# Altium PCB 3d_design_approx.PcbDoc (part 2 of 3) (continued)
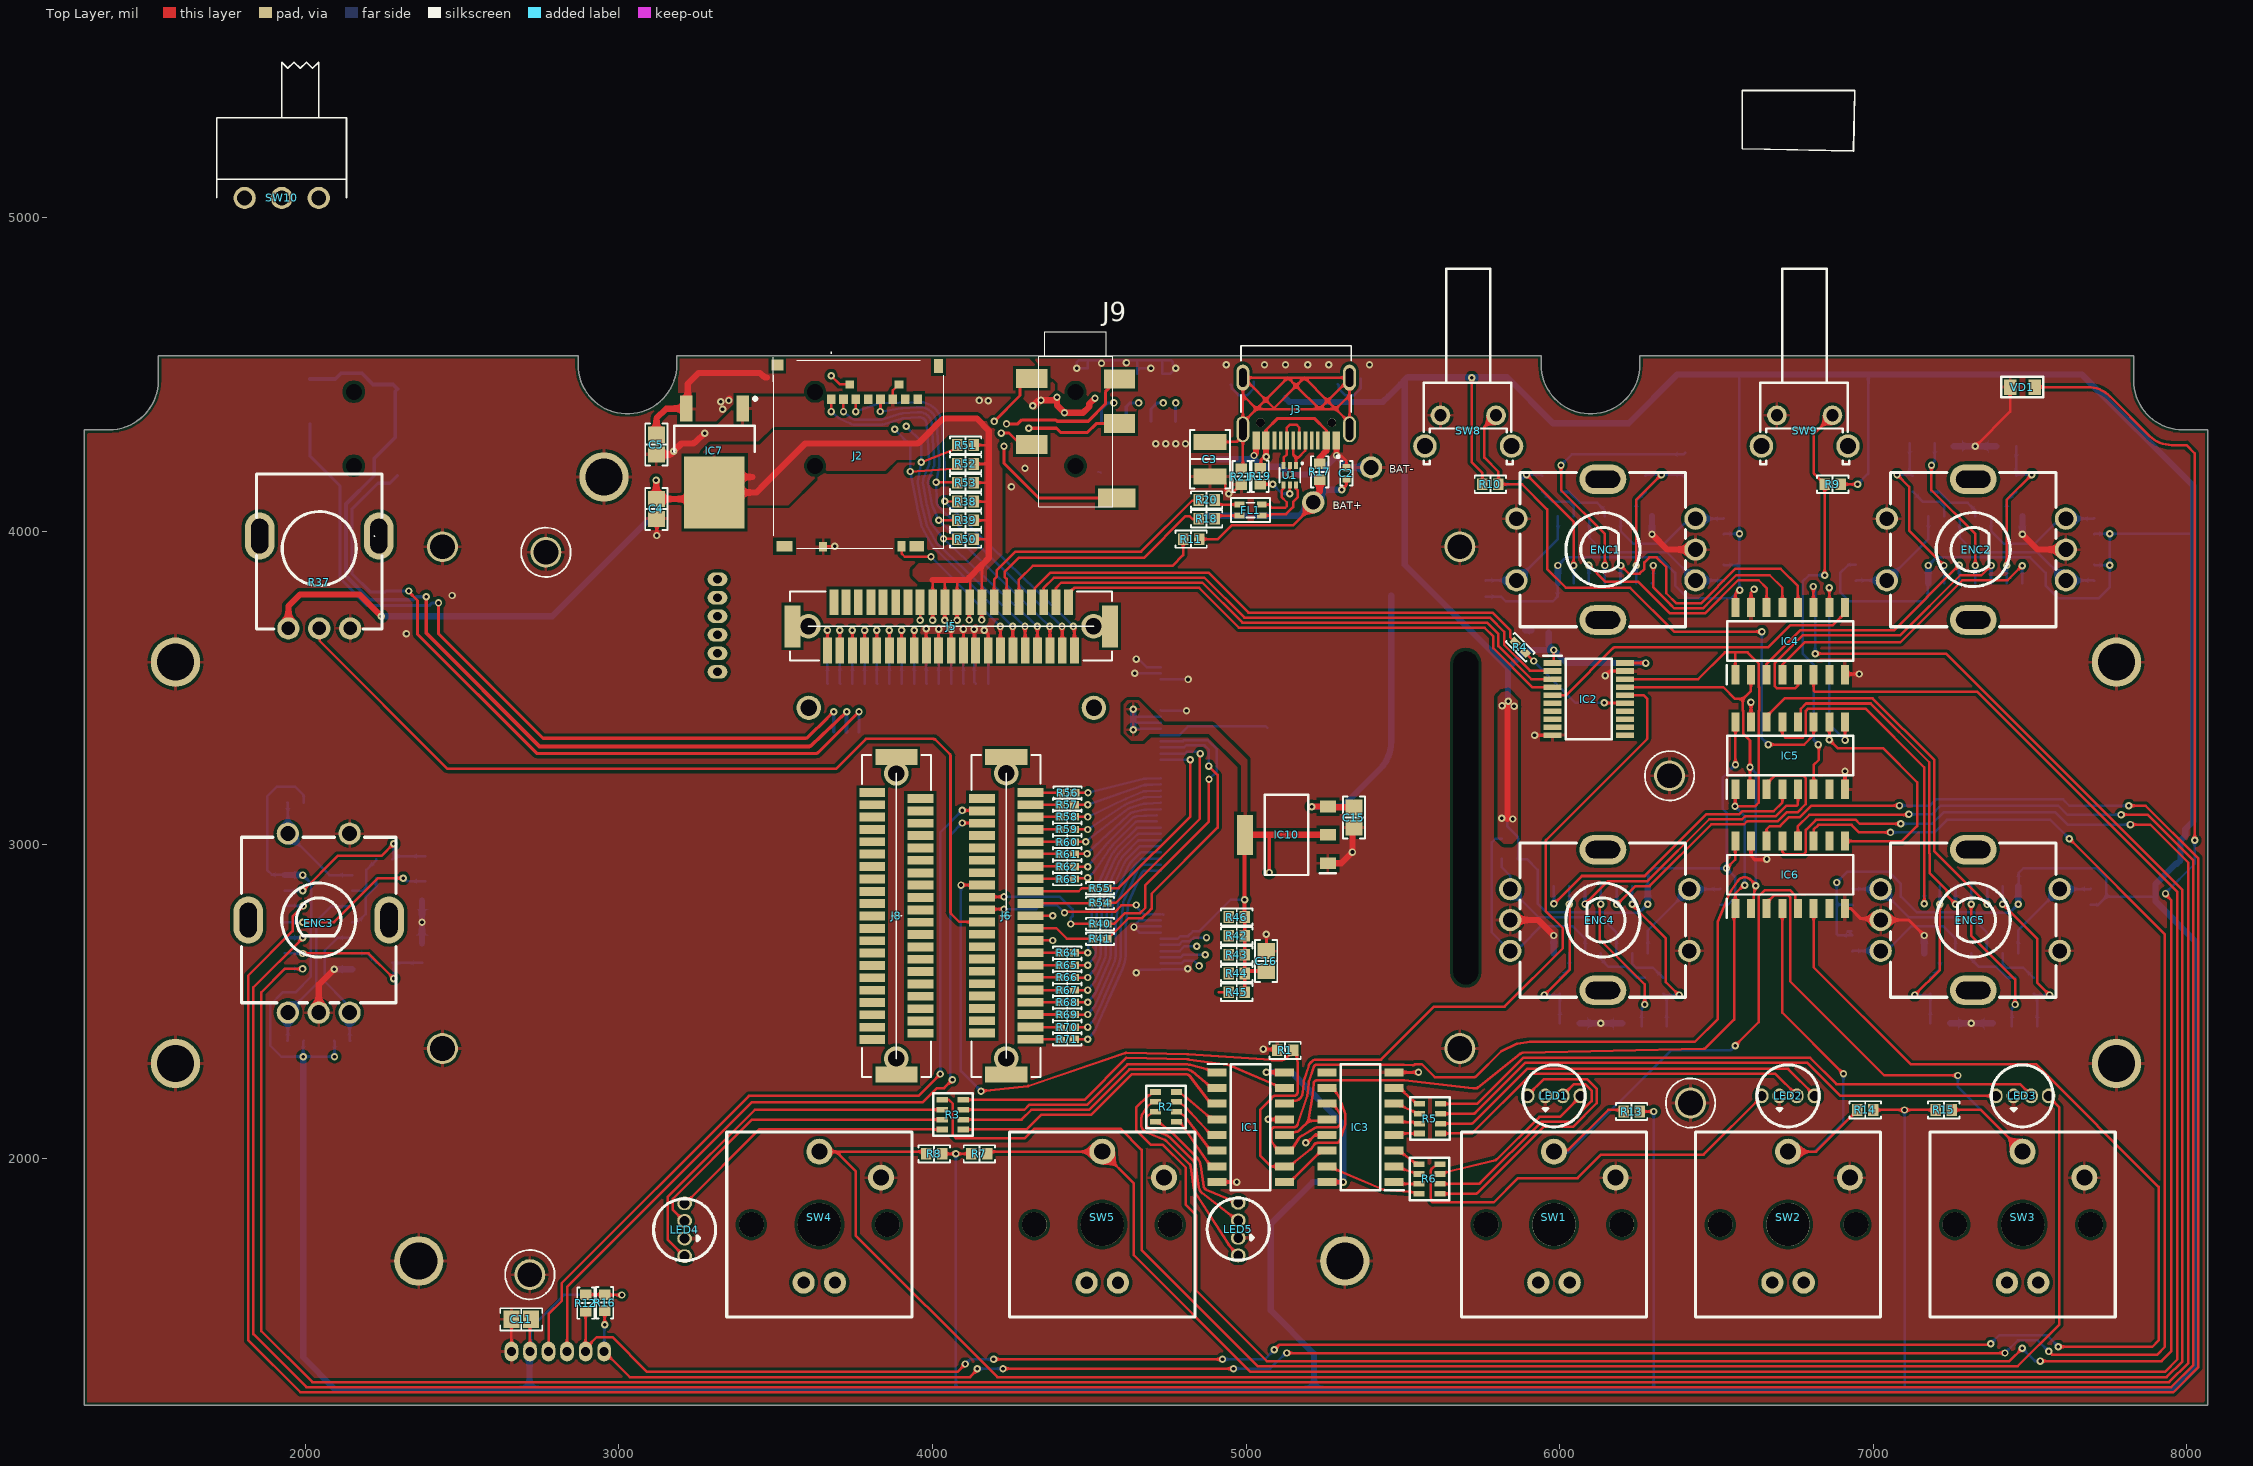
[diagram p0: Top Layer view]
## Nets (pads, with @x,y where several pads share a name; then routed paths per layer and width w, separated by ;. In a path a pad name is that pad's centre, name@x,y a point inside that pad or via, vN(x,y) a via of type N, cw(c..) or ccw(c..) an arc to the next point about the centre after c; other vN are vias at no path point) (continued)
  Bottom Layer w8: IC11_IC103.12@6181.06,2868.65 6182.69,2867.03 v1(6182.69,2810.27)
BTN_4: IC5.14 IC11_IC104.12 | length 1246.6
  Top Layer w8: IC5.14@6660,3392.28 6660,3410 6717,3467 6998,3467 7194.63,3270.37 7194.63,2979.43 v1(7363.79,2810.27)
  Bottom Layer w8: IC11_IC104.12@7362.17,2868.65 7363.79,2867.03 v1(7363.79,2810.27)
BTN_5: IC6.14 IC11_IC105.12 | length 10990.7
  Top Layer w8: v1(1993.66,2805.57) 1960,2771.9 1960,2725 1818,2583 1818,1422 1985,1255 7956.82,1255 8037,1335.18 8037,2956.5 7868.5,3125 v1(7815,3125) ; IC6.14@6660,3012.28 6660,3050.05 6670,3060.05 6702.68,3060.05 6731.63,3089 6766.37,3089 6802.99,3125.62 v1(7083.76,3125.62)
  Bottom Layer w8: IC11_IC105.12@1935.28,2803.95 1936.9,2805.57 v1(1993.66,2805.57) ; v1@7084.07,3125.31 v1(7083.76,3125.62) 7180.62,3125.62 7200,3145 7605,3145 7625,3125 v1(7815,3125)
BTN_FREE1: IC5.11 R10.1 SW8.1 | length 1967.9
  Top Layer w8: SW8.1@5797.17,4370 5760,4332.83 5760,4235 5805,4190 R10.1@5805,4150 5880,4150 5960,4070 5960,3880 6020,3820 6225,3820 6365,3680 v1(6645,3680) ; v1@6665.07,3320.07 6780.07,3320.07 6810,3350 IC5.11@6810,3392.28
  Bottom Layer w8: v1(6645,3680) 6645,3340 v1(6665,3320)
BTN_FREE2: IC5.6 R9.1 SW9.1 | length 1317.6
  Top Layer w8: IC5.6@6810,3177.72 6810,3255 6826.69,3271.69 6826.69,3318.31 v1(6825,3320) ; v1(6845,3860) R9.1@6845,4150 6812.34,4182.66 cw(c6818,4188.31) 6810,4188.31 6810,4306.69 cw(c6818,4306.69) 6812.34,4312.34 SW9.1@6870,4370
  Bottom Layer w8: v1(6825,3320) 6810,3335 6810,3575 6775,3610 6775,3840 6795,3860 v1(6845,3860)
BTN_N: IC4.6 R7.1 SW5.1 | length 7204.9
  Top Layer w8: R7.1@4175.59,2015 4182.45,2021.86 SW5.1@4541.65,2021.86 4642.71,1920.79 4642.71,1691.62 5014.33,1320 7930,1320 7970,1360 7970,2849.84 7331.84,3488 6814.69,3488 6810,3492.69 IC4.6@6810,3542.72
BTN_PLAY: IC6.4 R14.1 SW2.1 | length 1255.5
  Top Layer w8: IC6.4@6710,2797.72 6710,2465 v1(6905,2270) ; SW2.1@6728.32,2021.88 6817.67,2021.88 6948.82,2153.03 R14.1@6948.82,2155
  Bottom Layer w8: SW2.1@6728.32,2021.88 6811.88,2021.88 6905,2115 v1(6905,2270)
BTN_REC: IC6.5 R13.1 SW1.1 | length 1681.7
  Top Layer w8: SW1.1@5981.95,2021.88 5987.36,2027.29 6027.29,2027.29 6155,2155 6198.82,2155 R13.1@6203.82,2150 ; v1(6560,2360) 6634.8,2434.8 6634.8,2836.8 6654.23,2856.23 6734.39,2856.23 6751.2,2839.42 6751.2,2806.51 IC6.5@6760,2797.72
  Bottom Layer w8: SW1.1@5981.95,2021.88 6031.88,2021.88 6355,2345 6545,2345 v1(6560,2360)
BTN_STOP: IC6.3 R15.1 SW3.1 | length 1642.7
  Top Layer w8: IC6.3@6660,2797.72 6660,2815.43 6684.8,2840.23 6727.77,2840.23 6735.2,2832.79 6735.2,2564.8 7035,2265 v1(7270,2265) ; R15.1@7250.59,2155 7343.24,2155 SW3.1@7476.35,2021.88
  Bottom Layer w8: v1(7270,2265) 7270,2228.24 SW3.1@7476.35,2021.88
BTN_Y: IC4.11 R8.1 SW4.1 | length 8345.4
  Top Layer w8: SW4.1@3639.43,2021.88 3693.12,2021.88 ; R8.1@3980,2015 3973.12,2021.88 3693.12,2021.88 ; v1(6808.79,3824.19) 6808.79,3758.5 IC4.11@6810,3757.28 ; v1(6815,3610) 7232.47,3610 7986,2856.47 7986,1353.37 7935.63,1303 4207,1303 3755,1755 3755,1960 3693.12,2021.88
  Bottom Layer w8: v1(6808.79,3824.19) 6808.79,3819.96 6815,3813.74 v1(6815,3610)
CLK: IC1.11 IC2.17 IC3.11 IC4.2 IC5.2 IC6.2 | length 3818.9
  Top Layer w8: IC3.11@5257.72,2175 5284.23,2166.2 5298.32,2144.29 cw(c5288.23,2137.8) 5300.23,2137.8 5300.23,2112.2 cw(c5288.23,2112.2) 5288.31,2100.2 5227.12,2099.8 ccw(c5227.2,2087.8) 5221.14,2098.15 5176.96,2072.27 ccw(c5190,2050) 5168.32,2064.01 5148.8,2033.8 5104.57,2025 5095.77,2033.8 5081.68,2055.71 cw(c5091.77,2062.2) 5079.77,2062.2 5079.77,2087.8 cw(c5091.77,2087.8) 5091.69,2099.8 5152.88,2100.2 ccw(c5152.8,2112.2) 5164.16,2108.36 5194.48,2198.12 ccw(c5152.8,2212.2) 5196.64,2208.51 5199.31,2240.17 cw(c5227.2,2237.8) 5200.68,2246.76 5215.84,2291.64 cw(c5227.2,2287.8) 5227.2,2299.8 5502.8,2299.8 cw(c5502.8,2287.8) 5503.58,2299.77 cw(c5502.8,2287.8) 5503.68,2299.76 5532.4,2297.79 ccw(c5532.95,2305.77) 5538.61,2300.11 5539.31,2300.81 5560.69,2300.81 5601.69,2259.82 5728.22,2259.82 ccw(c5728.22,2267.82) 5733.88,2262.16 5813.93,2342.21 5862.95,2365.84 cw(c5866.44,2358.64) 5865.29,2366.56 5905.18,2372.37 6431.42,2372.37 6504.54,2445.48 6504.54,2755.19 6536.09,2832.75 cw(c6547.2,2828.23) 6536.46,2833.57 6545.68,2852.14 cw(c6560,2845) 6546.8,2854.04 6568.73,2886.08 cw(c6590.03,2871.5) 6608.33,2889.69 6622.71,2875.32 cw(c6617,2869.72) 6624.98,2870.28 v1(6625,2870) 6625,2869.71 cw(c6617,2869.72) 6624.84,2868.12 6619.11,2839.94 ccw(c6634.8,2836.8) 6618.8,2836.8 6618.8,2824.23 IC6.2@6610,2797.72 ; IC2.17@6208.67,3503.39 6521.61,3503.39 6559.31,3465.69 6584.19,3465.69 ; IC5.2@6610,3177.72 6606.99,3180.73 v1(6606.99,3247.58) 6606.99,3333.01 6585.2,3354.8 6585.2,3427.36 6584.19,3428.37 6584.19,3465.69 ; IC4.2@6610,3542.72 6610,3491.5 6584.19,3465.69
  Bottom Layer w8: v1(6606.99,3247.58) 6625,3229.57 v1(6625,2870)
CODEC_GPIO: J1.41 J5.1 | length 236.7
  Top Layer w8: v1(3665.35,3685.04) 3665.35,3620.78 J5.1@3665.88,3620.25
  Bottom Layer w8: v1(3665.35,3685.04) 3665.35,3515.65 J1.41@3667,3514
D0: J6.41 R56.2 | length 97.8
  Top Layer w8: J6.41@4312.47,3167.37 J6.41@4314.48,3165.35 ; J6.41@4313.47,3166.36 R56.2@4408.38,3166.36
D1: J6.39 R57.2 | length 94.9
  Top Layer w8: J6.39@4312.47,3128.37 R57.2@4407.37,3128.37
D2: J6.37 R58.2 | length 94.9
  Top Layer w8: J6.37@4312.47,3089.37 R58.2@4407.37,3089.37
D3: J6.35 R59.2 | length 94.9
  Top Layer w8: J6.35@4312.47,3049.37 R59.2@4407.37,3049.37
D4: J6.33 R60.2 | length 94.9
  Top Layer w8: J6.33@4312.47,3010.37 R60.2@4407.37,3010.37
D5: J6.31 R61.2 | length 94.9
  Top Layer w8: J6.31@4312.47,2971.37 R61.2@4407.37,2971.37
D6: J6.29 R62.2 | length 94.9
  Top Layer w8: J6.29@4312.47,2931.37 R62.2@4407.37,2931.37
D7: J6.27 R63.2 | length 94.9
  Top Layer w8: J6.27@4312.47,2892.37 R63.2@4407.37,2892.37
D8: J6.15 R64.2 | length 94.9
  Top Layer w8: J6.15@4312.47,2656.37 R64.2@4407.37,2656.37
D9: J6.13 R65.2 | length 94.9
  Top Layer w8: J6.13@4312.47,2616.37 R65.2@4407.37,2616.37
D10: J6.11 R66.2 | length 94.9
  Top Layer w8: J6.11@4312.47,2577.37 R66.2@4407.37,2577.37
D11: J6.9 R67.2 | length 94.9
  Top Layer w8: J6.9@4312.47,2537.37 R67.2@4407.37,2537.37
D12: J6.7 R68.2 | length 94.9
  Top Layer w8: J6.7@4312.47,2498.37 R68.2@4407.37,2498.37
D13: J6.5 R69.2 | length 94.9
  Top Layer w8: J6.5@4312.47,2459.37 R69.2@4407.37,2459.37
D14: J6.3 R70.2 | length 94.9
  Top Layer w8: J6.3@4312.47,2419.37 R70.2@4407.37,2419.37
D15: J6.1 R71.2 | length 94.9
  Top Layer w8: J6.1@4312.47,2380.37 R71.2@4407.37,2380.37
DB16: H3.35
DB17: H3.36
DE: H3.37
DEBUG_RST: H2.1 SW10.2
DOTCLK: H3.38
FMC_A21_RS: J6.17 | length 73.4
  Top Layer w8: J6.17@4313.95,2696.85 J6.17@4312.47,2695.37 v2(4383.81,2695.37)
FMC_A22_RS: J6.19 R41.2 | length 213.3
  Top Layer w8: J6.19@4312.47,2734.37 4395.55,2734.37 4429.13,2700.79 R41.2@4511.81,2700.79
FMC_NE1_CS: J6.24 R40.2 | length 425.4
  Top Layer w8: J6.24@4158.47,2833.37 4159.75,2834.65 v1(4228.35,2834.65) ; v2(4440.94,2748.03) R40.2@4511.81,2748.03
  Bottom Layer w8: v1(4228.35,2834.65) 4406.58,2834.65 4447.07,2794.16 4447.07,2772.77 4440.94,2766.65 v2(4440.94,2748.03)
FMC_NE4_CS: J6.21 | length 73.1
  Top Layer w8: J6.21@4313.69,2775.59 J6.21@4312.47,2774.37 v2(4383.81,2774.37)
FMC_NOE_RD: J6.25 R55.2 | length 203.4
  Top Layer w8: J6.25@4312.47,2852.37 4466.54,2852.37 4476.38,2862.2 R55.2@4511.81,2862.2
FMC_NWE_WE: J6.23 R54.2 | length 200
  Top Layer w8: J6.23@4312.47,2813.37 4510.22,2813.37 R54.2@4511.81,2814.96
FOOT_L: H1.1 IC6.11 R16.1 | length 7878.6
  Top Layer w8: H1.1@2953.11,1385 2953.11,1384.71 2969.42,1368.4 2969.71,1368.4 3035.11,1303 4120.08,1303 4142.75,1325.67 v1(4142.75,1329.85) ; v1(2955,1470) R16.1@2955,1515 ; v1(4225,1330) v1(4960,1330) ; v1(5130,1380) v1(7420,1380) ; IC6.11@6810,3012.28 6810,3048.91 6825,3063.91 6931.09,3063.91 6955,3040 v1(7055,3040) ; v1(7559.91,1385) 7560.65,1385 7571.46,1374.19 7904.19,1374.19 7930,1400 7930,2690 7930,2715 v1(7625,3020)
  Bottom Layer w8: H1.1@2953.11,1385 2954.05,1385.94 2954.05,1469.06 v1(2955,1470) ; v1(4142.75,1329.85) 4142.82,1329.92 4224.92,1329.92 v1(4225,1330) ; v1(4960,1330) 5076.63,1330 5126.63,1380 v1(5130,1380) ; v1(7055,3040) 7195,3040 7235,3080 7565,3080 v1(7625,3020) ; v1(7420,1380) 7460.81,1420.81 7524.19,1420.81 7559.91,1385.09 v1(7559.91,1385)
FOOT_R: H1.2 IC6.6 R12.1 | length 7345.3
  Top Layer w8: H1.2@2894.05,1385 H1.2@2894.05,1394.84 ; R12.1@2895,1513.82 2894.05,1512.87 H1.2@2894.05,1394.84 ; v1(4105,1345) 4080,1320 3090,1320 2979.5,1430.5 2929.71,1430.5 H1.2@2894.05,1394.84 ; v1(4195,1360) v1(4925,1360) ; v1(5090,1390) 5105.81,1405.81 7362.5,1405.81 7363.7,1407.01 7372.01,1407.01 v1(7375,1410) ; IC6.6@6810,2797.72 6810,2610 7120,2300 7520,2300 7910,1910 7910,1420 7890,1400 v1(7590,1400)
  Bottom Layer w8: v1(4105,1345) 4120,1360 v1(4195,1360) ; v1(4925,1360) 5060,1360 v1(5090,1390) ; v1(7375,1410) 7401.81,1436.81 7553.19,1436.81 v1(7590,1400)
GND: C1.1 C2.1 C3.1 C4.1 C5.1 C11.1 C15.1 C16.1 C17_IC101.2 C17_IC102.2 C17_IC103.2 C17_IC104.2 C17_IC105.2 C18_IC101.2 C18_IC102.2 C18_IC103.2 C18_IC104.2 C18_IC105.2 C19_IC101.2 C19_IC102.2 C19_IC103.2 C19_IC104.2 C19_IC105.2 ENC1.2 ENC1.C ENC2.2 ENC2.C ENC3.2 ENC3.C ENC4.2 ENC4.C ENC5.2 ENC5.C H1.6 H3.1 H3.2 H3.3 H3.8 H3.42 H3.43 H3.44 H3.50 IC1.8 IC1.13 IC2.10 IC2.19 IC3.8 IC3.13 IC4.8 IC4.15 IC5.8 IC5.15 IC6.8 IC6.15 IC7.1 IC10.1 IC11_IC101.7 IC11_IC102.7 IC11_IC103.7 IC11_IC104.7 IC11_IC105.7 J1.15 J1.17 J1.19 J1.20 J1.21 J1.22 J1.23 J1.24 J1.25 J2.6 J2.9 J2.10 J2.12 J3.A1B12 J3.B1A12 J5.17 J5.19 J5.21 J5.23 J5.25 J5.27 J10.2 J10.4 J10.6 J10.8 J10.13 LED1.3 LED2.3 LED3.3 LED4.3 LED5.3 pad.7@2437.8,2350.86 pad.7@2437.8,3950.86 pad.7@2716.54,1629.92 pad.7@2767.72,3933.07 pad.7@5681.97,2350.86 pad.7@5681.97,3950.86 pad.7@6350.39,3220.47 pad.7@6417.32,2177.17 pad.A@5398.66,4203.66 pad.qq R1.2 R21.1 R37.3 SW1.2 SW2.2 SW3.2 SW4.2 SW5.2 SW8.2 SW9.2 U1.2 VD1.2 | length 7637.6
  Top Layer w8: H1.6@2657.84,1385 2657.84,1499.33 C11.1@2658.5,1500 ; J2.12@3651.57,3950.79 3653.54,3952.76 v2(3688.98,3952.76) ; v2(3677.17,4496.06) 3704.72,4468.5 J2.10@3736.22,4468.5 ; J2.6@3874.02,4421.26 3874.02,4449.8 3892.72,4468.5 J2.9@3893.7,4468.5 ; v1(3980.32,3688.98) 3980.32,3620.82 J5.17@3980.88,3620.25 ; J5.19@4019.88,3620.25 v1(4019.88,3688.41) ; J5.21@4059.88,3620.25 v1(4059.88,3688.41) ; J5.23@4098.88,3620.25 v1(4098.88,3688.41) ; v1(4132.87,3687.34) 4132.87,3650.53 4133.47,3649.94 J5.25@4137.88,3620.25 ; v1(4164.99,3684.76) 4177.88,3671.87 J5.27@4177.88,3620.25 ; C3.1@4885,4175 4912.56,4175 4934.15,4153.41 4934.15,4131.51 4945,4120.66 v1(4945,4120) 4947.99,4122.99 4957.2,4122.99 4983.03,4148.82 R21.1@4985,4148.82 ; v1(5054.98,2349.09) 5094.73,2349.09 R1.2@5098.82,2345 ; v1(5139.37,4181.02) 5139.53,4181.18 5139.53,4209.84 U1.2@5139.69,4210 ; v1(5288.81,4241.63) 5290.56,4239.88 5304.62,4239.88 5320,4224.51 C2.1@5320,4202.32 ; v1(7325.58,4271.03) 7436.26,4381.72 VD1.2@7436.26,4460
  Top Layer w10: C4.1@3120,4040 3121.51,4038.49 v1(3121.51,3986.71) ; IC1.8@4907.72,1925 v1(4970,1925) ; C16.1@5064.88,2662 v1(5064.88,2715.16) ; v1(5070.81,2125) IC1.13@5122.28,2125 ; v1(5190,2050) 5195,2050 5220,2075 IC3.13@5257.72,2075 ; IC3.8@5472.28,2275 v1(5550,2275) ; v1(5920,3350) 5920.08,3349.92 5977.25,3349.92 IC2.10@5977.33,3349.84 ; v1(6145,3540) 6159.57,3554.57 IC2.19@6208.67,3554.57 ; IC6.15@6610,3012.28 6610,2965 6622.31,2952.69 6657.69,2952.69 v1(6660,2955) ; IC5.15@6610,3392.28 v1(6610,3455) ; IC4.15@6610,3757.28 6610,3805 v1(6620,3815) ; IC6.8@6910,2797.72 6927.28,2797.72 6960,2765 7019.25,2765 ENC5.C@7023.6,2760.65 7112.89,2760.65 v1(7162.17,2711.37) ; IC5.8@6910,3177.72 v1(6910,3235) ; IC4.8@6910,3542.72 6912.28,3545 v1(6955,3545)
  Top Layer w20: ENC3.C@2043.28,2465.38 2043.28,2554.67 v1(2092.56,2603.95) ; C5.1@3120,4245 3165,4245 v1(3175,4255) 3200,4280 3233.73,4280 ccw(c3231.79,4299.91) 3245.76,4285.59 v1(3274,4313) ; IC7.1@3387.59,4368.04 IC7.1@3394.76,4391.26 ; v1(5025.33,4241.9) 5025.33,4242.88 5032.05,4249.6 J3.B1A12@5032.05,4289.41 ; IC10.1@5261.13,2942.05 5304.08,2942.05 v1(5339.24,2977.2) 5339.24,3050.71 C15.1@5344.24,3055.71 ; J3.A1B12@5287.95,4289.41 5288.38,4288.98 5288.38,4242.06 v1(5288.81,4241.63) ; ENC4.C@5842.5,2760.65 5931.78,2760.65 v1(5981.06,2711.37) ; v1(6294.48,3991.03) 6343.76,3941.75 ENC1.C@6433.04,3941.75 ; v1(7475.58,3991.03) 7524.86,3941.75 ENC2.C@7614.14,3941.75
  Bottom Layer w8: v1(3980.32,3688.98) 3980.32,3515.69 J1.25@3982,3514 ; v1(4019.88,3688.41) 4019.88,3515.12 J1.23@4021,3514 ; v1(4059.88,3688.41) 4059.88,3514.12 J1.21@4060,3514 ; v1(4098.88,3688.41) 4098.88,3515.12 J1.19@4100,3514 ; v1(4132.87,3687.34) 4132.87,3520.13 J1.17@4139,3514 ; v1(4164.99,3684.76) 4178,3671.75 J1.15@4178,3514 ; J10.6@4574.8,4501.97 4574.8,4545.86 ; v1@4640.39,2740.16 4640.62,2740.16 4651.57,2751.1 4651.57,2751.62 4659.79,2759.84 H3.42@4728.35,2759.84 ; v1(4645.2,3547.76) 4645.45,3547.5 4728.09,3547.5 H3.2@4728.35,3547.24 ; v1(4650.2,2592.76) 4653.34,2592.76 4662.95,2602.36 H3.50@4728.35,2602.36 4729.86,2603.87 4813.11,2603.87 v1(4814.62,2605.38) ; v1(4650.2,3592.76) 4653.19,3589.77 4660.23,3589.77 4683.07,3566.93 H3.1@4728.35,3566.93 ; v1(4696.85,4519.69) 4661.35,4519.69 4653.54,4511.87 J10.4@4653.54,4501.97 4653.54,4545.86 ; H3.44@4728.35,2720.47 4660.35,2720.47 4640.67,2740.16 H3.43@4728.35,2740.16 ; H3.8@4728.35,3429.13 4729.04,3428.45 4809.51,3428.45 v1(4810.2,3427.76) ; H3.3@4728.35,3527.56 4728.44,3527.66 4815.1,3527.66 v1(4815.2,3527.76) ; 4951.83,4467.51 4955.25,4464.09 4955.25,4454.97 4975.56,4434.66 5004.28,4434.66 5024.59,4454.97 5024.59,4476.38 ; 5292.87,4468.74 5295.41,4466.2 5295.41,4454.97 5315.72,4434.66 5344.44,4434.66 5365.81,4456.03 5365.81,4486.31 ; 4496.06,4545.86 4496.06,4519.69 v1(4460.63,4519.69) 4460.63,4539.37 4467.12,4545.86 4496.06,4545.86 ; 4496.06,4545.86 4574.8,4545.86 ; 4574.8,4545.86 4653.54,4545.86 ; 4653.54,4545.86 4732.28,4545.86 ; 4732.28,4545.86 4761.23,4545.86 4766.94,4540.14 4766.94,4532.56 4775.59,4523.91 v1(4775.59,4519.69) 4757.88,4501.97 J10.2@4732.28,4501.97 4732.28,4545.86
  Bottom Layer w10: C1.1@5902.25,3677 C1.1@5903.39,3675.86
  Bottom Layer w20: v1(2092.56,2603.95) IC11_IC105.7@2149.84,2603.95 ; C19_IC105.2@2372.56,2686.94 v1(2372.56,2753.95) C17_IC105.2@2372.56,2822.45 ; 4885,4230 5012.45,4230 5024.35,4241.9 v1(5025.33,4241.9) 5026.03,4241.21 5026.03,4231.16 5051.04,4206.15 5114.25,4206.15 v1(5139.37,4181.02) 5228.21,4181.02 v1(5288.81,4241.63) 5326.78,4203.66 pad.A@5398.66,4203.66 ; C1.1@5890.43,3684.87 C1.1@5910.12,3684.87 ; IC11_IC103.7@5981.06,2654.09 v1(5981.06,2711.37) ; C19_IC103.2@6064.06,2431.37 v1(6131.06,2431.37) C17_IC103.2@6199.57,2431.37 ; v1(6294.48,3991.03) IC11_IC101.7@6294.48,4048.32 ; IC11_IC104.7@7162.17,2654.09 v1(7162.17,2711.37) ; C19_IC104.2@7245.16,2431.37 v1(7312.17,2431.37) C17_IC104.2@7380.67,2431.37 ; C17_IC102.2@7257.07,4271.03 v1(7325.58,4271.03) C19_IC102.2@7392.59,4271.03 ; v1(7475.58,3991.03) IC11_IC102.7@7475.58,4048.32
  other v1: 4642.76,2738.07 2322.83,3673.23 2468.5,3795.28 4712.6,4279.53 4744.09,4279.53 4775.59,4279.53 4807.09,4279.53 4539.21,4535.89 4618.76,4537.22
  other v2: 4251.97,4141.73 4295.28,4200.79 4149.61,4417.32 4178.57,4416.71 4937.01,4531.5 5059.06,4531.5 5125.98,4531.5 5196.85,4531.5 5263.78,4531.5 5393.7,4531.5
GUI_NRST: SW10.3
HPGND: J1.38 J4.3 J4.4 | length 2978.4
  Top Layer w12: v2(2385.83,3791.34) 2385.83,3675.75 2747.58,3314 3605.03,3314 ccw(c3605.03,3326) 3613.36,3317.36 ; 3613.38,3317.38 cw(c3621.69,3308.73) 3613.5,3317.49 v1(3727,3424.68)
  Bottom Layer w12: J4.4@2015.24,4485.44 2095.68,4485.44 2114.17,4503.94 2181.1,4503.94 2216.54,4468.5 2280.2,4468.5 J4.3@2294.76,4453.94 2287.4,4446.58 2287.4,4299.21 2220.47,4232.28 2220.47,4177.17 2130.1,4086.79 2130.1,3857.84 2205.91,3782.03 2330,3782.03 ; 2330.01,3782.02 2344.97,3782.02 2354.29,3791.34 v2(2385.83,3791.34) ; J1.38@3726,3360 3726.5,3360.5 3726.5,3424.18 v1(3727,3424.68)
HSYNC: H3.39
I2C2_SCL: H1.4 J6.38 | length 2652.3
  Top Layer w8: H1.4@2775.95,1385 2775.95,1503.94 2818.13,1546.12 2818.13,1603.13 3415,2200 3955.72,2200 v1(4025.5,2269.78) ; v1(4095,3110) 4156.83,3110 J6.38@4158.47,3108.37
  Bottom Layer w8: v1(4025.5,2269.78) 4025.5,3040.5 v1(4095,3110)
I2C2_SDA: H1.3 J6.36 | length 2608.6
  Top Layer w8: H1.3@2835,1385 2835,1590 3425,2180 3970,2180 4014.41,2224.41 4037.29,2224.41 v1(4063.81,2250.94) ; v1(4095,3070) 4157.83,3070 J6.36@4158.47,3069.37
  Bottom Layer w8: v1(4063.81,2250.94) 4063.81,2255.16 4057.35,2261.63 4057.35,3032.35 v1(4095,3070)
JTAG_JTDI: H2.4
JTAG_RST: H2.2
JTAG_SWCLK: H2.5
JTAG_SWDIO: H2.6
JTAG_SWO: H2.3
LATCH: IC1.12 IC2.18 IC3.12 IC4.1 IC5.1 IC6.1 | length 3523.9
  Top Layer w8: IC1.12@5122.28,2075 5148.8,2083.8 5155.08,2084.3 ccw(c5152.8,2112.2) 5172.55,2092.36 5200.27,2120.08 ; IC3.12@5247.72,2125 5231.2,2120.08 5200.27,2120.08 ; IC2.18@6208.67,3528.98 6441.98,3528.98 6527,3614 6560,3614 ; v1(6559.2,3123.83) 6565.73,3123.83 v1@6565.95,3124.05 ; IC5.1@6560,3177.72 6560,3130 v1@6565.95,3124.05 ; IC4.1@6560,3542.72 6560,3614 ; v1(6590.03,2871.5) 6586.5,2871.5 6560,2845 IC6.1@6560,2797.72 6556,2793.72 6556,2443.37 6464.97,2352.34 cw(c6459.31,2358) 6459.49,2350 5883.01,2337 ccw(c5883.37,2321) 5873.4,2333.51 5739.56,2226.86 ccw(c5744.55,2220.6) 5738.94,2226.32 cw(c5733.34,2232.03) 5733.38,2224.03 5726.84,2224 cw(c5726.84,2232) 5726.37,2224.01 5724.37,2224.12 cw(c5724.82,2232.11) 5723.93,2224.16 5504.18,2249.71 ccw(c5502.8,2237.8) 5502.8,2249.8 5227.2,2249.8 ccw(c5227.2,2237.8) 5215.25,2238.8 5212.58,2207.17 cw(c5152.8,2212.2) 5212.04,2202.71 5200.36,2129.31 ccw(c5208.27,2128.08) 5200.27,2128.08 5200.27,2120.08 ; 6560,3614 6598.99,3614 6635.2,3577.79 6635.2,3503.38 6635.81,3502.78 6635.81,3428.37 6635,3427.56 6635,3135 6624.05,3124.05 v1@6565.95,3124.05
  Bottom Layer w8: v1(6559.2,3123.83) 6559.2,3123.31 6590.03,3092.49 v1(6590.03,2871.5)
LCD_RESET: H3.41 J6.22 R46.1 | length 614.3
  Top Layer w8: J6.22@4158.47,2793.37 4160.38,2795.28 v1(4228.35,2795.28) ; v2(4421.26,2783.46) 4424.25,2786.45 4433.46,2786.45 4433.76,2786.75 4581.58,2786.75 4602.51,2807.68 4648.75,2807.68 v2(4649.72,2808.65)
  Bottom Layer w8: v1(4228.35,2795.28) 4330.71,2795.28 4343.21,2807.78 4396.95,2807.78 v2(4421.26,2783.46) ; v2(4649.72,2808.65) 4652.71,2805.66 4652.71,2799.99 4673.17,2779.53 H3.41@4728.35,2779.53 ; H3.41@4734.44,2779.53 H3.41@4736.22,2777.75
LED_N_B: LED5.2 R2.3 | length 503.2
  Top Layer w8: R2.3@4711.54,2149.25 4697.82,2144.39 4686.74,2136.31 ccw(c4693.82,2126.61) 4681.82,2126.61 4681.82,2108.9 ccw(c4693.82,2108.9) 4689.28,2097.79 4746.45,2074.41 cw(c4734.34,2044.79) 4756.96,2067.42 4831.15,1993.23 cw(c4808.52,1970.6) 4840.22,1974.95 4849.47,1908.33 ccw(c4877.2,1912.2) 4860.13,1890.01 LED5.2@4973.17,1803.05
LED_N_G: LED5.1 R2.4 | length 396.2
  Top Layer w8: R2.4@4711.54,2117.76 4725.25,2112.9 4763.95,2082.57 cw(c4734.34,2044.79) 4768.28,2078.73 4842.46,2004.55 cw(c4808.52,1970.6) 4856.06,1977.21 4865.32,1910.53 ccw(c4877.2,1912.2) 4872.57,1901.13 4973.17,1859.05 LED5.1@4975.14,1859.05
LED_N_R: LED5.4 R2.2 | length 636
  Top Layer w8: R2.2@4711.54,2180.75 4697.82,2175.89 4686.74,2167.8 ccw(c4693.82,2158.11) 4683.48,2164.21 4669.7,2140.84 ccw(c4693.82,2126.61) 4665.82,2126.61 4665.82,2108.9 ccw(c4693.82,2108.9) 4683.22,2082.98 4740.33,2059.62 cw(c4734.34,2044.79) 4745.65,2056.1 4819.83,1981.92 cw(c4808.52,1970.6) 4824.38,1972.71 4833.63,1906.13 ccw(c4877.2,1912.2) 4840.16,1888.46 4943.15,1727.81 ccw(c4973.17,1747.05) 4945.63,1724.41 ; 4945.62,1724.41 4973.17,1691.05 LED5.4@4975.14,1691.05
LED_PLY_B: LED2.2 R5.1 | length 1244.9
  Top Layer w8: R5.1@5620,2080 5633.72,2080.03 5716.72,2080.03 ccw(c5716.72,2088.03) 5722.31,2082.32 ; 5722.34,2082.34 5910,2270 6688.2,2270 6756.37,2201.83 LED2.2@6756.37,2199.86
LED_PLY_G: LED2.1 R5.2 | length 1301.1
  Top Layer w8: R5.2@5620,2111.5 5633.72,2111.53 5718.22,2111.53 ccw(c5718.21,2119.53) 5723.81,2113.81 ; 5723.84,2113.84 5896,2286 6728.2,2286 6812.37,2201.83 LED2.1@6812.37,2199.86
LED_PLY_R: LED2.4 R6.4 | length 1331.8
  Top Layer w8: R6.4@5618.46,1982.24 5604.75,1977.39 5593.67,1969.3 ccw(c5600.75,1959.61) 5588.75,1959.61 5588.75,1878.9 ccw(c5600.75,1878.9) 5588.88,1877.15 5590.4,1866.83 ccw(c5598.31,1868) 5598.31,1860 5790,1860 5867.5,1937.5 6057.5,1937.5 6132.5,2012.5 6458.97,2012.5 6644.37,2197.89 LED2.4@6644.37,2199.86
LED_REC_B: LED1.2 R6.2 | length 742.6
  Top Layer w8: R6.2@5618.46,1919.25 5632.18,1919.28 5740.72,1919.28 ccw(c5740.71,1927.28) 5746.31,1921.57 ; 5746.34,1921.6 5941.75,2117 6035.53,2117 6101.65,2183.13 6101.65,2216.6 6080.77,2237.48 6045.65,2237.48 6010,2201.83 LED1.2@6010,2199.86
LED_REC_G: LED1.1 R6.3 | length 538.7
  Top Layer w8: R6.3@5618.46,1950.75 5632.18,1955.61 5795.72,1995.26 ccw(c5793.84,2003.03) 5799.43,1997.32 ; 5799.46,1997.34 5935.12,2133 6001.1,2133 6066,2197.89 LED1.1@6066,2199.86
LED_REC_R: LED1.4 R6.1 | length 920.7
  Top Layer w8: R6.1@5618.46,1887.76 5632.18,1887.79 5731.85,1887.79 ccw(c5731.85,1895.79) 5737.44,1890.07 ; 5737.47,1890.1 5948.37,2101 6042.15,2101 6117.65,2176.5 6117.65,2223.23 6087.39,2253.48 5949.65,2253.48 5898,2201.83 LED1.4@5898,2199.86
LED_SINGLE: R2.1 VD1.1 | length 7514.5
  Top Layer w8: R2.1@4711.54,2212.24 4702.68,2212.24 4692.04,2201.61 4688.85,2201.61 4649.82,2162.58 4649.82,2090.67 4695.7,2044.79 4734.34,2044.79 4808.52,1970.6 4808.52,1852.25 4841.81,1818.96 4841.81,1578.6 5066.22,1354.19 7434.19,1354.19 v1(7475,1395) ; VD1.1@7515,4460 7683.58,4460 cw(c7683.58,4360) 7754.29,4430.71 7880.71,4304.29 ccw(c7951.42,4375) 7951.42,4275 7998.18,4275 8025,4248.18 v1(8025,3015) ; v1(7532.33,1354.34) 7919.34,1354.34 7950,1385 7950,2823.86 7931.81,2842.05 v1(7931.81,2845)
  Bottom Layer w8: v1(7475,1395) 7515.66,1354.34 v1(7532.33,1354.34) ; v1(7931.81,2845) 7931.81,2846.81 8025,2940 v1(8025,3015)
LED_STP_B: LED3.2 R5.4 | length 1994.7
  Top Layer w8: R5.4@5620,2174.49 5633.72,2174.52 5733.58,2174.52 ccw(c5733.58,2182.52) 5739.18,2176.8 ; 5739.2,2176.83 5883.37,2321 6799,2321 6882.52,2237.48 7467.39,2237.48 7503.05,2201.83 LED3.2@7503.05,2199.86
LED_STP_G: LED3.1 R3.1 | length 4982.7
  Top Layer w8: R3.1@4031.54,2187.24 4052.76,2187.24 4065,2175 4065,2075 4075,2065 4295,2065 4325.85,2095.85 4599.15,2095.85 4667.07,2027.93 4667.07,1707.93 5036.81,1338.19 7460.82,1338.19 7592.54,1469.91 7592.54,2164.4 7559.05,2197.89 LED3.1@7559.05,2199.86
LED_STP_R: LED3.4 R5.3 | length 1881.3
  Top Layer w8: R5.3@5620,2142.99 5633.72,2143.02 5724.71,2143.02 ccw(c5724.71,2151.02) 5730.31,2145.31 ; 5730.34,2145.34 5890,2305 6790,2305 6895.14,2199.86 LED3.4@7391.05,2199.86
LED_Y_B: LED4.2 R3.3 | length 1051.2
  Top Layer w8: LED4.2@3210,1801 3208.03,1801 3172.38,1836.65 3172.38,1871.77 3424.86,2124.25 R3.3@4031.54,2124.25
LED_Y_G: LED4.1 R3.4 | length 919.2
  Top Layer w8: LED4.1@3210,1857 3211.97,1857 3447.72,2092.76 R3.4@4031.54,2092.76
LED_Y_R: LED4.4 R3.2 | length 1202.8
  Top Layer w8: LED4.4@3210,1689 3208.03,1689 3156.38,1740.65 3156.38,1878.4 3433.73,2155.75 R3.2@4031.54,2155.75
LHPOUT: J1.36 J4.2 | length 2436.4
  Top Layer w10: v2(2330.79,3809.83) 2330.79,3807.01 2358.27,3779.53 2358.27,3671.6 2737.91,3291.96 3629.13,3291.96 ccw(c3629.13,3301.96) 3636.2,3294.89 v1(3765.99,3424.68)
  Bottom Layer w10: J4.2@2294.76,4178.35 2269.76,4153.35 2232.09,4153.35 2149.1,4070.36 2149.1,3865.71 2207.72,3807.09 2255.36,3807.09 2258.11,3809.83 v2(2330.79,3809.83) ; J1.36@3765,3360 3765.5,3360.5 3765.5,3424.18 v1(3765.99,3424.68)
MISO: IC2.5 IC4.9 | length 1058.1
  Top Layer w8: IC2.5@5977.33,3477.8 6017.37,3477.8 ccw(c6017.37,3485.8) 6023.01,3480.12 6170.55,3627.67 cw(c6176.2,3622) 6176.16,3630 ; 6176.2,3630 6665,3630 6735,3700 6870.43,3700 6910,3739.57 IC4.9@6910,3757.28